# Altium PCB PCB ASCII (pokey v1.0-A01).PcbDoc (part 3 of 5)
Units mil, origin at the board's own origin, x right, y up, seen from the top; angles counter-clockwise.
Board outline 14208.66 x 3708.66 mil, 4 copper layers (Top Layer, Mid-Layer 1, Mid-Layer 2, Bottom Layer), stack 61.2 mil thick; 385 components, 209 nets, 1413 pads, 947 vias.
Unrouted connection lines stored in the file: 121.
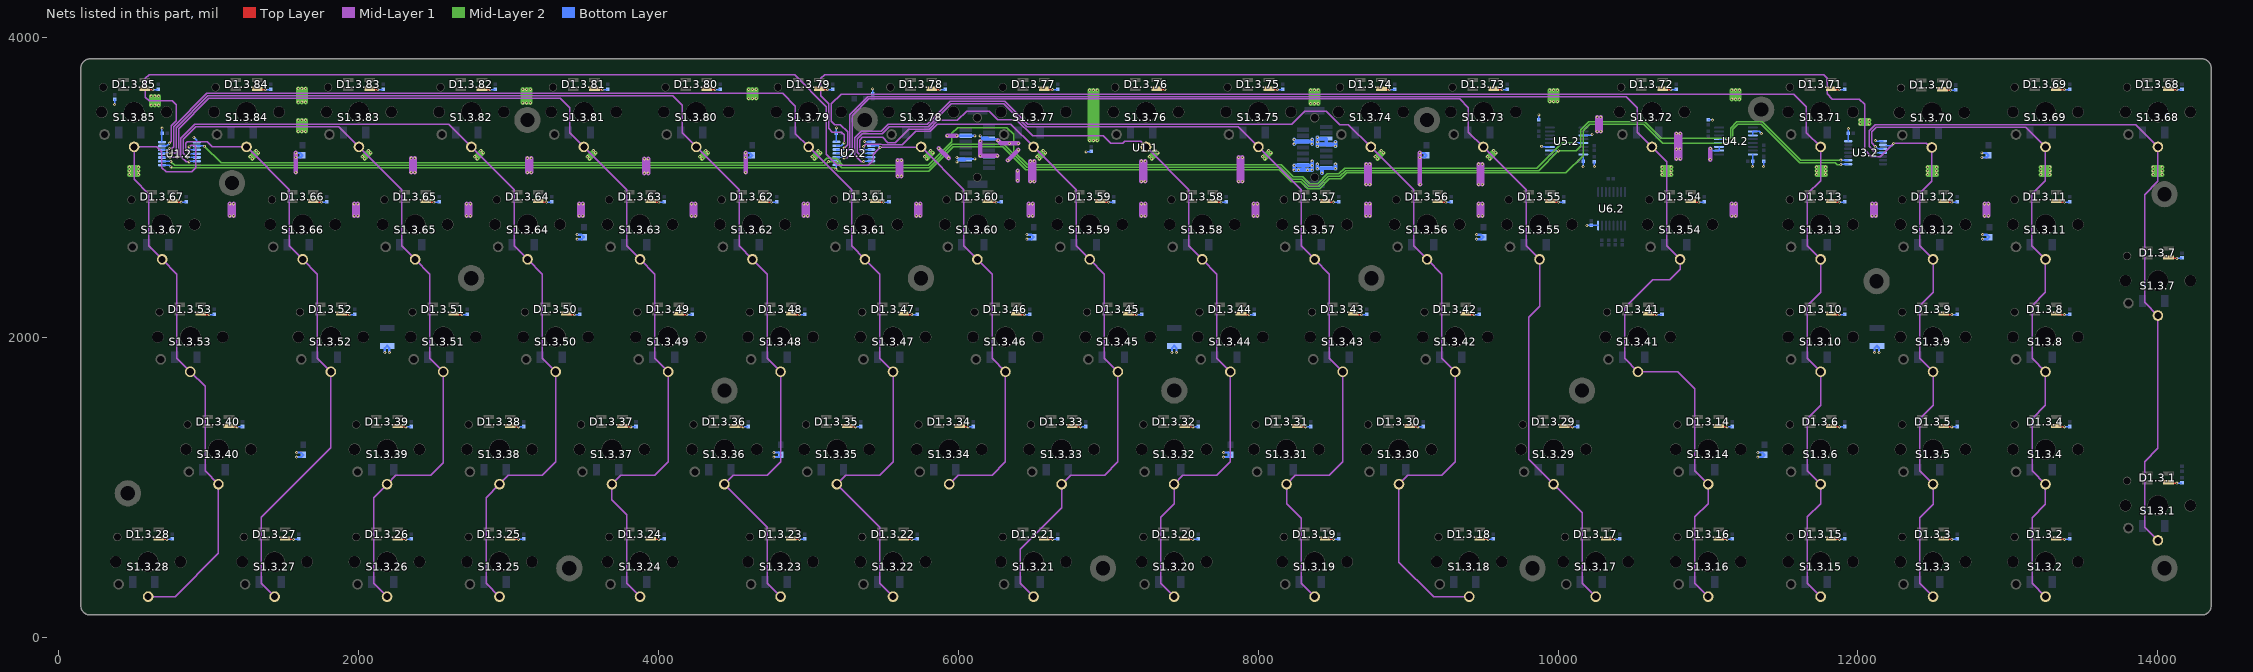
[diagram p5: the nets of this part, all layers, seen from the top]

## Components (designator, comment, footprint, x,y, rotation, side; value= is the part's Value field where it differs from the comment) (continued)
S1.3.85 "SW-SPST" PG1350 501.41,3502.99 r90 top (schematic designator S1.3)
U1.1 "POKEY_MOD_R1" POKEY_MOD_R1 8376.41,3067.76 r180 bottom
U1.2 "MC74HC164A" TSOP65P640X120-14N 803.64,3225.73 r180 bottom
U2.2 "MC74HC164A" TSOP65P640X120-14N 5302.5,3227.5 r180 bottom
U3.2 "MC74HC164A" TSOP65P640X120-14N 12052.07,3232.5 r180 bottom
U4.2 "SN74AHC123A" TSSOP16_N 11186.7,3309.79 r180 bottom
U5.2 "SN74AHC123A" TSSOP16_N 10057.13,3309.79 r180 bottom
U6.2 "MC74HC165A" TSSOP16_N 10357.5,2857.5 r90 bottom

## Footprints (in the part's own frame and the unit in brackets; to place one, negate y for a bottom-side part, rotate by r counter-clockwise, add the part's x,y. Pads: shape width x height; smd on the part's side, far side on the other; paste and mask are expansions set on the pad)
0402 [mm]
  rect 0.6x0.6 smd mask+0: 1(0,0) 2(0.812,0)
  silkscreen extent -0.46,-0.46 1.27,0.46
1210 [mm]
  rect 2.5x1 smd: 1(0,-1.5) 2(0,1.5)
  silkscreen extent -1.12,-0.71 1.12,0.71
1608[0603] [mm]
  rect 1.1x1 smd: 1(-0.85,0) 2(0.85,0)
  silkscreen extent -1.65,-0.74 1.65,0.74
BL-HRGB32M-TRB [mm] "Addressable LED"
  rect 1.8x0.7 smd: 1(-1.8,0.75) 2(-1.8,-0.75) 3(1.8,-0.75) 4(1.8,0.75)
  silkscreen extent -2.34,-1.4 1.6,1.83
PG1350 [mm]
  round 1.8 hole 1.2: 1(-5.9,0) 2(-3.8,5)
  round 1.4 hole 1.2: 3(4.2,5.22)
  round 2 hole 1.9: 4(0,-5.5) 4_1(0,5.5)
  round 3.5 hole 3.4: 4_2(0,0)
  silkscreen extent -7.5,-7.5 7.5,7.5
POKEY_MOD_R1 [mm]
  round 1.5 hole 1.3: 0(0,0) 0_2(57.15,0)
  round 1.6 hole 1.3: 0_1(0,10.1) 0_3(57.15,10.1)
  rect 3.4x1.3 smd: 0_4(0,11.257) 0_5(0,-1.157) 0_6(57.15,11.257) 0_7(57.15,-1.157)
  rect 2.08x0.7 smd: 1(-1.96,8.55) 2(1.96,8.05) 3(-1.96,7.55) 4(1.96,7.05) 5(-1.96,6.55) 6(1.96,6.05) 7(-1.96,5.55) 8(1.96,5.05) 9(-1.96,4.55) 10(1.96,4.05) 11(-1.96,3.55) 12(1.96,3.05) 13(-1.96,2.55) 14(1.96,2.05) 15(-1.96,1.55) 16(55.19,8.55) 17(59.11,8.05) 18(55.19,7.55) 19(59.11,7.05) 20(55.19,6.55) 21(59.11,6.05) 22(55.19,5.55) 23(59.11,5.05) 24(55.19,4.55) 25(59.11,4.05) 26(55.19,3.55) 27(59.11,3.05) 28(55.19,2.55) 29(59.11,2.05) 30(55.19,1.55)
  silkscreen extent -4.83,-2.31 61.98,16.49
SOD-80 [mm]
  rect 1.25x2 smd: A(1.875,0) K(-1.875,0)
  silkscreen extent -2.67,-1.02 1.02,1.02
SOT23 [mm] "SOT-23; 3 Leads; Body 3.1 x 2.5 mm, inc. leads (LxW max), Alternate Lead Configuration"
  rect 0.9x0.95 smd: 1(0,1.175) 2(0.95,-1.175) 3(-0.95,-1.175)
  silkscreen extent -1.3,-0.3 1.3,2.32
TSOP65P640X120-14N [mm] "TSOP, 14-Leads, Body 5.00x4.40mm, Pitch 0.65mm, IPC Medium Density"
  oval 1.4x0.45 smd: 1(-2.95,1.95) 2(-2.95,1.3) 3(-2.95,0.65) 4(-2.95,0) 5(-2.95,-0.65) 6(-2.95,-1.3) 7(-2.95,-1.95) 8(2.95,-1.95) 9(2.95,-1.3) 10(2.95,-0.65) 11(2.95,0) 12(2.95,0.65) 13(2.95,1.3) 14(2.95,1.95)
  silkscreen extent -3.08,-2.55 1.85,2.85
TSSOP16_N [mm]
  oval 1.7x0.35 smd: 1(2.848,-2.281) 2(2.848,-1.631) 3(2.848,-0.981) 4(2.848,-0.331) 5(2.848,0.319) 6(2.848,0.969) 7(2.848,1.619) 8(2.848,2.269) 9(-2.852,2.269) 10(-2.852,1.619) 11(-2.852,0.969) 12(-2.852,0.319) 13(-2.852,-0.331) 14(-2.852,-0.981) 15(-2.852,-1.631) 16(-2.852,-2.281)
  silkscreen extent -1.6,-3.13 2.97,2.54

## Part data
C1.1 C1.2 C1.3.1 C1.3.2 C1.3.3 C1.3.4 C1.3.5 C1.3.6 C1.3.7 C1.3.8 C1.3.9 C1.3.10 C1.3.11 C1.3.12 C1.3.13 C1.3.14 C1.3.15 C1.3.16 C1.3.17 C1.3.18 C1.3.19 C1.3.20 C1.3.21 C1.3.22 C1.3.23 C1.3.24 C1.3.25 C1.3.26 C1.3.27 C1.3.28 C1.3.29 C1.3.30 C1.3.31 C1.3.32 C1.3.33 C1.3.34 C1.3.35 C1.3.36 C1.3.37 C1.3.38 C1.3.39 C1.3.40 C1.3.41 C1.3.42 C1.3.43 C1.3.44 C1.3.45 C1.3.46 C1.3.47 C1.3.48 C1.3.49 C1.3.50 C1.3.51 C1.3.52 C1.3.53 C1.3.54 C1.3.55 C1.3.56 C1.3.57 C1.3.58 C1.3.59 C1.3.60 C1.3.61 C1.3.62 C1.3.63 C1.3.64 C1.3.65 C1.3.66 C1.3.67 C1.3.68 C1.3.69 C1.3.70 C1.3.71 C1.3.72 C1.3.73 C1.3.74 C1.3.75 C1.3.76 C1.3.77 C1.3.78 C1.3.79 C1.3.80 C1.3.81 C1.3.82 C1.3.83 C1.3.84 C1.3.85 C2.1 C2.2 C3.1 C3.2 C4.2 C5.2 C6.2 C7.2 C8.2 C9.2 C10.2: library part "CAPACITOR NON_POL"
C4.1 C5.1 C6.1 C7.1 C8.1 C9.1 C10.1 C11.1 C12.1 C13.1 C14.1 C15.1: library part C0402
D1.3.1 D1.3.2 D1.3.3 D1.3.4 D1.3.5 D1.3.6 D1.3.7 D1.3.8 D1.3.9 D1.3.10 D1.3.11 D1.3.12 D1.3.13 D1.3.14 D1.3.15 D1.3.16 D1.3.17 D1.3.18 D1.3.19 D1.3.20 D1.3.21 D1.3.22 D1.3.23 D1.3.24 D1.3.25 D1.3.26 D1.3.27 D1.3.28 D1.3.29 D1.3.30 D1.3.31 D1.3.32 D1.3.33 D1.3.34 D1.3.35 D1.3.36 D1.3.37 D1.3.38 D1.3.39 D1.3.40 D1.3.41 D1.3.42 D1.3.43 D1.3.44 D1.3.45 D1.3.46 D1.3.47 D1.3.48 D1.3.49 D1.3.50 D1.3.51 D1.3.52 D1.3.53 D1.3.54 D1.3.55 D1.3.56 D1.3.57 D1.3.58 D1.3.59 D1.3.60 D1.3.61 D1.3.62 D1.3.63 D1.3.64 D1.3.65 D1.3.66 D1.3.67 D1.3.68 D1.3.69 D1.3.70 D1.3.71 D1.3.72 D1.3.73 D1.3.74 D1.3.75 D1.3.76 D1.3.77 D1.3.78 D1.3.79 D1.3.80 D1.3.81 D1.3.82 D1.3.83 D1.3.84 D1.3.85: library part BL-HRGB32M-TRB
D2.3.1 D2.3.2 D2.3.3 D2.3.4 D2.3.5 D2.3.6 D2.3.7 D2.3.8 D2.3.9 D2.3.10 D2.3.11 D2.3.12 D2.3.13 D2.3.14 D2.3.15 D2.3.16 D2.3.17 D2.3.18 D2.3.19 D2.3.20 D2.3.21 D2.3.22 D2.3.23 D2.3.24 D2.3.25 D2.3.26 D2.3.27 D2.3.28 D2.3.29 D2.3.30 D2.3.31 D2.3.32 D2.3.33 D2.3.34 D2.3.35 D2.3.36 D2.3.37 D2.3.38 D2.3.39 D2.3.40 D2.3.41 D2.3.42 D2.3.43 D2.3.44 D2.3.45 D2.3.46 D2.3.47 D2.3.48 D2.3.49 D2.3.50 D2.3.51 D2.3.52 D2.3.53 D2.3.54 D2.3.55 D2.3.56 D2.3.57 D2.3.58 D2.3.59 D2.3.60 D2.3.61 D2.3.62 D2.3.63 D2.3.64 D2.3.65 D2.3.66 D2.3.67 D2.3.68 D2.3.69 D2.3.70 D2.3.71 D2.3.72 D2.3.73 D2.3.74 D2.3.75 D2.3.76 D2.3.77 D2.3.78 D2.3.79 D2.3.80 D2.3.81 D2.3.82 D2.3.83 D2.3.84 D2.3.85: library part DIODE
Q1.2: "N-Channel Enhancement Mode Vertical DMOS FET"
R1.2 R2.2 R3.2 R4.2 R5.2 R6.2 R7.2 R8.2 R9.2 R10.2 R11.2 R12.2: library part RESISTOR
S1.3.1 S1.3.2 S1.3.3 S1.3.4 S1.3.5 S1.3.6 S1.3.7 S1.3.8 S1.3.9 S1.3.10 S1.3.11 S1.3.12 S1.3.13 S1.3.14 S1.3.15 S1.3.16 S1.3.17 S1.3.18 S1.3.19 S1.3.20 S1.3.21 S1.3.22 S1.3.23 S1.3.24 S1.3.25 S1.3.26 S1.3.27 S1.3.28 S1.3.29 S1.3.30 S1.3.31 S1.3.32 S1.3.33 S1.3.34 S1.3.35 S1.3.36 S1.3.37 S1.3.38 S1.3.39 S1.3.40 S1.3.41 S1.3.42 S1.3.43 S1.3.44 S1.3.45 S1.3.46 S1.3.47 S1.3.48 S1.3.49 S1.3.50 S1.3.51 S1.3.52 S1.3.53 S1.3.54 S1.3.55 S1.3.56 S1.3.57 S1.3.58 S1.3.59 S1.3.60 S1.3.61 S1.3.62 S1.3.63 S1.3.64 S1.3.65 S1.3.66 S1.3.67 S1.3.68 S1.3.69 S1.3.70 S1.3.71 S1.3.72 S1.3.73 S1.3.74 S1.3.75 S1.3.76 S1.3.77 S1.3.78 S1.3.79 S1.3.80 S1.3.81 S1.3.82 S1.3.83 S1.3.84 S1.3.85: "Single-Pole, Single-Throw Switch"
U1.2 U2.2 U3.2: "IC SHIFT REGISTER 8BIT"
U4.2 U5.2: "IC DUAL RETRIG MULTIVIB"
U6.2: "IC SHIFT REGISTER IN 8BIT"

## Free pads (board coordinates)
  round 175 / inner round 110 / far side round 175 hole 95: 0(460,960) 0(1155,3030) 0(2750,2395) 0(3125,3450) 0(3405,460) 0(4440,1645) 0(5375,3450) 0(5750,2395) 0(6965,460) 0(7440,1645) 0(8755,2395) 0(9125,3450) 0(9830,460) 0(10160,1645) 0(11355,3520) 0(12125,2375) 0(14045,460) 0(14045,2955)

## Via types
v1: diameter 20, hole 10, Top Layer to Bottom Layer, tented both sides, 946 vias
v2: diameter 20, hole 10, Top Layer to Bottom Layer, 1 vias

## Nets (pads, with @x,y where several pads share a name; then routed paths per layer and width w, separated by ;. In a path a pad name is that pad's centre, name@x,y a point inside that pad or via, vN(x,y) a via of type N, cw(c..) or ccw(c..) an arc to the next point about the centre after c; other vN are vias at no path point)
3V3: C1.2.1 C2.2.1 C3.2.1 C5.2.1 C8.2.1 C10.2.1 C12.1.2 C13.1.2 C14.1.2 C15.1.2 R1.2.2 R2.2.2 R4.2.2 R5.2.2 R7.2.2 U1.1.19 U1.1.20 U1.1.26 U1.1.27 U1.2.1 U1.2.14 U2.2.1 U2.2.14 U3.2.1 U3.2.14 U4.2.2 U4.2.3 U4.2.10 U4.2.11 U4.2.16 U5.2.3 U5.2.11 U5.2.16 U6.2.16 | length 8505.7
  Mid-Layer 1 w30: v1(1140,2810) v1(1140,2890) ; v1(1165,2810) v1(1165,2890) ; v1(1580,3100) v1(1580,3200) v1(1580,3230) ; v1(1970,2810) v1(1970,2890) ; v1(1995,2810) v1(1995,2890) ; v1(2350,3100) v1(2350,3195) ; v1(2375,3100) v1(2375,3195) ; v1(2720,2810) v1(2720,2890) ; v1(2745,2810) v1(2745,2890) ; v1(3125,3100) v1(3125,3195) ; v1(3150,3100) v1(3150,3195) ; v1(3470,2810) v1(3470,2890) ; v1(3495,2810) v1(3495,2890) ; v1(3905,3095) v1(3905,3190) ; v1(3930,3095) v1(3930,3190) ; v1(4220,2810) v1(4220,2890) ; v1(4245,2810) v1(4245,2890) ; v1(4580,3100) v1(4580,3200) v1(4580,3230) ; v1(4970,2810) v1(4970,2890) ; v1(4995,2810) v1(4995,2890) ; v1(5595,3075) v1(5595,3180) ; v1(5620,3075) v1(5620,3180) ; v1(5720,2810) v1(5720,2890) ; v1(5745,2810) v1(5745,2890) ; v1(5870,3260) v1(5935,3195) ; v1(5925,3345) v1(5990,3345) ; v1(6145,3310) v1(6145,3210) v1(6260,3210) ; v1@6264.07,3314.07 6283.14,3295 v1(6340,3295) v1(6400,3295) ; v1(6330,3180) v1(6400,3250) ; v1(6395,3045) v1(6395,3110) ; v1(6470,2810) v1(6470,2890) ; v1(6480,3040) v1(6480,3175) ; v1(6495,2810) v1(6495,2890) ; v1(6505,3040) v1(6505,3175) ; v1(7220,2810) v1(7220,2890) ; v1(7220,3040) v1(7220,3175) ; v1(7245,2810) v1(7245,2890) ; v1(7245,3040) v1(7245,3175) ; v1(7870,3040) v1(7870,3200) ; v1(7895,3040) v1(7895,3200) ; v1(7970,2810) v1(7970,2890) ; v1(7995,2810) v1(7995,2890) ; v1(8720,2810) v1(8720,2890) ; v1(8720,3020) v1(8720,3155) ; v1(8745,2810) v1(8745,2890) ; v1(8745,3020) v1(8745,3155) ; v1(9077.5,3230) v1(9077.5,3200) 9077.5,3022.5 v1(9080,3020) ; v1(9470,2810) v1(9470,2890) ; v1(9470,3020) v1(9470,3155) ; v1(9495,2810) v1(9495,2890) ; v1(9495,3020) v1(9495,3155) ; v1(10260,3375) v1(10260,3470) ; v1(10285,3375) v1(10285,3470) ; v1(10790,3190) v1(10790,3255) v1(10790,3360) ; v1(10815,3190) v1(10815,3255) v1(10815,3360) ; v1(11015,3185) 11015,3258.09 v1(11016.7,3259.79) ; v1(11160,2810) v1(11160,2890) ; v1(11185,2810) v1(11185,2890) ; v1(12095,2810) v1(12095,2890) ; v1(12120,2810) v1(12120,2890) ; v1(12845,2810) v1(12845,2890) ; v1(12870,2810) v1(12870,2890)
  Bottom Layer w10: U1.2.14@687.5,3302.5 686.67,3303.33 686.67,3391.05 688.64,3393.02 v1(688.64,3395.73) ; v1(900,3335) 919.78,3315.22 U1.2.1@919.78,3302.5 ; U2.2.14@5186.36,3304.27 5185.53,3305.1 C2.2.1@5185.53,3362.5 5185.53,3392.83 5187.5,3394.79 v1(5187.5,3397.5) ; v1(5372.5,3307.5) 5375.21,3307.5 5378.43,3304.27 U2.2.1@5418.64,3304.27 ; R4.2.2@5427.5,3624.47 v1(5427.5,3657.5) ; R7.2.2@9872.13,3451.76 v1(9872.13,3484.79) ; v1(9890,3275) 9893.82,3271.18 U5.2.3@9945,3271.18 ; v1(10167.13,3139.79) 10167.13,3142.49 10169.09,3144.46 C8.2.1@10169.09,3174.79 10169.41,3175.1 U5.2.16@10169.41,3220 ; U5.2.11@10169.41,3347.95 10220.29,3347.95 v1(10227.13,3354.79) ; v1(10192.5,2747.5) C10.2.1@10222.5,2747.5 10265.97,2747.5 10267.71,2745.75 U6.2.16@10267.71,2745.22 ; v1(10242.13,3139.79) R5.2.2@10242.13,3172.82 ; R2.2.2@11001.7,3451.76 11002.58,3450.88 11029.12,3450.88 v1(11030,3450) ; v1(11016.7,3259.79) 11030.89,3245.59 U4.2.2@11074.57,3245.59 U4.2.3@11074.57,3271.18 ; v1(11296.7,3139.79) 11298.67,3141.76 C5.2.1@11298.67,3174.79 11298.98,3175.1 U4.2.16@11298.98,3220 ; U4.2.11@11298.98,3347.95 U4.2.10@11298.98,3373.54 11342.94,3373.54 v1(11356.7,3359.79) ; v1(11371.7,3139.79) R1.2.2@11371.7,3174.79 ; U3.2.14@11935.92,3309.27 11935.92,3361.36 C3.2.1@11937.07,3362.5 v1(11937.07,3392.5) ; v1(12117.07,3312.5) 12119.77,3312.5 12123,3309.27 U3.2.1@12168.21,3309.27
  Bottom Layer w15: v1(1580,3200) 1610.96,3200 C12.1.2@1625,3214.04 1609.04,3230 v1(1580,3230) ; v1(4580,3200) 4610.96,3200 C13.1.2@4625,3214.04 4609.04,3230 v1(4580,3230) ; v1(5990,3170) 6001.56,3181.56 6042.97,3181.56 U1.1.27@6049.25,3187.84 ; v1(5990,3200) 5991.35,3200 5997.24,3194.11 6042.97,3194.11 U1.1.27@6049.25,3187.84 ; v1(5990,3345) 5990.32,3345.32 U1.1.19@6049.25,3345.32 6049.56,3345 v1(6110,3345) ; v1(6110,3190) 6051.41,3190 U1.1.27@6049.25,3187.84 ; v1(6145,3210) 6201.1,3210 U1.1.26@6202.06,3209.04 ; v1(6145,3310) 6146.35,3310 6155.7,3319.35 6197.3,3319.35 U1.1.20@6203.58,3325.63 ; v1(6145,3345) 6158.09,3331.91 6197.3,3331.91 U1.1.20@6203.58,3325.63 ; U1.1.26@6203.58,3207.52 U1.1.26@6202.06,3209.04 ; v1(6260,3210) 6259.04,3209.04 U1.1.26@6202.06,3209.04 ; v1(6265,3315) 6263.65,3315 6257.66,3320.99 6208.22,3320.99 U1.1.20@6203.58,3325.63 ; v1(9077.5,3200) C14.1.2@9108.46,3200 ; v1(9077.5,3230) 9106.54,3230 C14.1.2@9122.5,3214.04 ; v1(12827.07,3200) 12858.03,3200 C15.1.2@12872.07,3214.04 12856.1,3230 v1(12827.07,3230) ; C14.1.2@9108.46,3200 9110.31,3200 9122.5,3212.19 C14.1.2@9122.5,3214.04 ; C14.1.2@9108.46,3200 C14.1.2@9122.5,3214.04
5V: C1.1.2 C1.3.1.1 C1.3.2.1 C1.3.3.1 C1.3.4.1 C1.3.5.1 C1.3.6.1 C1.3.7.1 C1.3.8.1 C1.3.9.1 C1.3.10.1 C1.3.11.1 C1.3.12.1 C1.3.13.1 C1.3.14.1 C1.3.15.1 C1.3.16.1 C1.3.17.1 C1.3.18.1 C1.3.19.1 C1.3.20.1 C1.3.21.1 C1.3.22.1 C1.3.23.1 C1.3.24.1 C1.3.25.1 C1.3.26.1 C1.3.27.1 C1.3.28.1 C1.3.29.1 C1.3.30.1 C1.3.31.1 C1.3.32.1 C1.3.33.1 C1.3.34.1 C1.3.35.1 C1.3.36.1 C1.3.37.1 C1.3.38.1 C1.3.39.1 C1.3.40.1 C1.3.41.1 C1.3.42.1 C1.3.43.1 C1.3.44.1 C1.3.45.1 C1.3.46.1 C1.3.47.1 C1.3.48.1 C1.3.49.1 C1.3.50.1 C1.3.51.1 C1.3.52.1 C1.3.53.1 C1.3.54.1 C1.3.55.1 C1.3.56.1 C1.3.57.1 C1.3.58.1 C1.3.59.1 C1.3.60.1 C1.3.61.1 C1.3.62.1 C1.3.63.1 C1.3.64.1 C1.3.65.1 C1.3.66.1 C1.3.67.1 C1.3.68.1 C1.3.69.1 C1.3.70.1 C1.3.71.1 C1.3.72.1 C1.3.73.1 C1.3.74.1 C1.3.75.1 C1.3.76.1 C1.3.77.1 C1.3.78.1 C1.3.79.1 C1.3.80.1 C1.3.81.1 C1.3.82.1 C1.3.83.1 C1.3.84.1 C1.3.85.1 C2.1.2 C3.1.2 C4.1.2 C5.1.2 C6.1.2 C7.1.2 C8.1.2 C9.1.2 C10.1.2 C11.1.2 D1.3.1.1 D1.3.2.1 D1.3.3.1 D1.3.4.1 D1.3.5.1 D1.3.6.1 D1.3.7.1 D1.3.8.1 D1.3.9.1 D1.3.10.1 D1.3.11.1 D1.3.12.1 D1.3.13.1 D1.3.14.1 D1.3.15.1 D1.3.16.1 D1.3.17.1 D1.3.18.1 D1.3.19.1 D1.3.20.1 D1.3.21.1 D1.3.22.1 D1.3.23.1 D1.3.24.1 D1.3.25.1 D1.3.26.1 D1.3.27.1 D1.3.28.1 D1.3.29.1 D1.3.30.1 D1.3.31.1 D1.3.32.1 D1.3.33.1 D1.3.34.1 D1.3.35.1 D1.3.36.1 D1.3.37.1 D1.3.38.1 D1.3.39.1 D1.3.40.1 D1.3.41.1 D1.3.42.1 D1.3.43.1 D1.3.44.1 D1.3.45.1 D1.3.46.1 D1.3.47.1 D1.3.48.1 D1.3.49.1 D1.3.50.1 D1.3.51.1 D1.3.52.1 D1.3.53.1 D1.3.54.1 D1.3.55.1 D1.3.56.1 D1.3.57.1 D1.3.58.1 D1.3.59.1 D1.3.60.1 D1.3.61.1 D1.3.62.1 D1.3.63.1 D1.3.64.1 D1.3.65.1 D1.3.66.1 D1.3.67.1 D1.3.68.1 D1.3.69.1 D1.3.70.1 D1.3.71.1 D1.3.72.1 D1.3.73.1 D1.3.74.1 D1.3.75.1 D1.3.76.1 D1.3.77.1 D1.3.78.1 D1.3.79.1 D1.3.80.1 D1.3.81.1 D1.3.82.1 D1.3.83.1 D1.3.84.1 D1.3.85.1 R3.2.2 U1.1.5 U1.1.6 U1.1.7 U1.1.14 U1.1.15 | length 14516.3
  Top Layer w10: D1.3.85.1@578.66,3652.5 v1(627.07,3652.5) ; D1.3.28.1@672.41,652.5 v1(720.82,652.5) ; D1.3.67.1@766.16,2902.5 v1(814.57,2902.5) ; D1.3.53.1@953.66,2152.5 v1(1002.07,2152.5) ; D1.3.40.1@1141.16,1402.5 v1(1189.57,1402.5) ; D1.3.84.1@1328.66,3652.5 v1(1377.07,3652.5) ; D1.3.27.1@1516.16,652.5 v1(1564.57,652.5) ; D1.3.66.1@1703.66,2902.5 v1(1752.07,2902.5) ; D1.3.52.1@1891.16,2152.5 v1(1939.57,2152.5) ; D1.3.83.1@2078.66,3652.5 v1(2127.07,3652.5) ; D1.3.26.1@2266.16,652.5 v1(2314.57,652.5) ; D1.3.39.1@2266.16,1402.5 v1(2314.57,1402.5) ; D1.3.65.1@2453.66,2902.5 v1(2502.07,2902.5) ; D1.3.51.1@2641.16,2152.5 v1(2689.57,2152.5) ; D1.3.82.1@2828.66,3652.5 v1(2877.07,3652.5) ; D1.3.25.1@3016.16,652.5 v1(3064.57,652.5) ; D1.3.38.1@3016.16,1402.5 v1(3064.57,1402.5) ; D1.3.64.1@3203.66,2902.5 v1(3252.07,2902.5) ; D1.3.50.1@3391.16,2152.5 v1(3439.57,2152.5) ; D1.3.81.1@3578.66,3652.5 v1(3627.07,3652.5) ; D1.3.37.1@3766.16,1402.5 v1(3814.57,1402.5) ; D1.3.24.1@3953.66,652.5 v1(4002.07,652.5) ; D1.3.63.1@3953.66,2902.5 v1(4002.07,2902.5) ; D1.3.49.1@4141.16,2152.5 v1(4189.57,2152.5) ; D1.3.80.1@4328.66,3652.5 v1(4377.07,3652.5) ; D1.3.36.1@4516.16,1402.5 v1(4564.57,1402.5) ; D1.3.62.1@4703.66,2902.5 v1(4752.07,2902.5) ; D1.3.23.1@4891.16,652.5 v1(4939.57,652.5) ; D1.3.48.1@4891.16,2152.5 v1(4939.57,2152.5) ; D1.3.79.1@5078.66,3652.5 v1(5127.07,3652.5) ; D1.3.35.1@5266.16,1402.5 v1(5314.57,1402.5) ; D1.3.61.1@5453.66,2902.5 v1(5502.07,2902.5) ; D1.3.22.1@5641.16,652.5 v1(5689.57,652.5) ; D1.3.47.1@5641.16,2152.5 v1(5689.57,2152.5) ; D1.3.78.1@5828.66,3652.5 v1(5877.07,3652.5) ; D1.3.34.1@6016.16,1402.5 v1(6064.57,1402.5) ; D1.3.60.1@6203.66,2902.5 v1(6252.07,2902.5) ; D1.3.46.1@6391.16,2152.5 v1(6439.57,2152.5) ; D1.3.21.1@6578.66,652.5 v1(6627.07,652.5) ; D1.3.77.1@6578.66,3652.5 v1(6627.07,3652.5) ; D1.3.33.1@6766.16,1402.5 v1(6814.57,1402.5) ; D1.3.59.1@6953.66,2902.5 v1(7002.07,2902.5) ; D1.3.45.1@7141.16,2152.5 v1(7189.57,2152.5) ; D1.3.76.1@7328.66,3652.5 v1(7377.07,3652.5) ; D1.3.20.1@7516.16,652.5 v1(7564.57,652.5) ; D1.3.32.1@7516.16,1402.5 v1(7564.57,1402.5) ; D1.3.58.1@7703.66,2902.5 v1(7752.07,2902.5) ; D1.3.44.1@7891.16,2152.5 v1(7939.57,2152.5) ; D1.3.75.1@8078.66,3652.5 v1(8127.07,3652.5) ; D1.3.31.1@8266.16,1402.5 v1(8314.57,1402.5) ; D1.3.19.1@8453.66,652.5 v1(8502.07,652.5) ; D1.3.57.1@8453.66,2902.5 v1(8502.07,2902.5) ; D1.3.43.1@8641.16,2152.5 v1(8689.57,2152.5) ; D1.3.74.1@8822.28,3658.88 8828.66,3652.5 v1(8877.07,3652.5) ; D1.3.30.1@9016.16,1402.5 v1(9064.57,1402.5) ; D1.3.56.1@9203.66,2902.5 v1(9252.07,2902.5) ; D1.3.42.1@9391.16,2152.5 v1(9439.57,2152.5) ; D1.3.18.1@9484.91,652.5 v1(9533.32,652.5) ; D1.3.73.1@9578.66,3652.5 v1(9627.07,3652.5) ; D1.3.55.1@9953.66,2902.5 v1(10002.07,2902.5) ; D1.3.29.1@10047.41,1402.5 v1(10095.82,1402.5) ; D1.3.17.1@10328.66,652.5 v1(10377.07,652.5) ; D1.3.41.1@10609.91,2152.5 v1(10658.32,2152.5) ; D1.3.72.1@10703.66,3652.5 v1(10752.07,3652.5) ; D1.3.54.1@10891.16,2902.5 v1(10939.57,2902.5) ; D1.3.16.1@11078.66,652.5 v1(11127.07,652.5) ; D1.3.14.1@11078.66,1402.5 v1(11127.07,1402.5) ; D1.3.15.1@11828.66,652.5 v1(11877.07,652.5) ; D1.3.6.1@11828.66,1402.5 v1(11877.07,1402.5) ; D1.3.10.1@11828.66,2152.5 v1(11877.07,2152.5) ; D1.3.13.1@11828.66,2902.5 v1(11877.07,2902.5) ; D1.3.71.1@11828.66,3652.5 v1(11877.07,3652.5) ; D1.3.70.1@12570.45,3648.68 v1(12618.86,3648.68) ; D1.3.3.1@12578.66,652.5 v1(12627.07,652.5) ; D1.3.5.1@12578.66,1402.5 v1(12627.07,1402.5) ; D1.3.9.1@12578.66,2152.5 v1(12627.07,2152.5) ; D1.3.12.1@12578.66,2902.5 v1(12627.07,2902.5) ; D1.3.2.1@13328.66,652.5 v1(13377.07,652.5) ; D1.3.4.1@13328.66,1402.5 v1(13377.07,1402.5) ; D1.3.8.1@13328.66,2152.5 v1(13377.07,2152.5) ; D1.3.11.1@13328.66,2902.5 v1(13377.07,2902.5) ; D1.3.69.1@13328.66,3652.5 v1(13377.07,3652.5) ; D1.3.1.1@14078.66,1027.5 v1(14127.07,1027.5) ; D1.3.7.1@14078.66,2527.5 v1(14127.07,2527.5) ; D1.3.68.1@14078.66,3652.5 v1(14127.07,3652.5)
  Mid-Layer 2 w25: v1(1275,3205) v1(1315,3245) ; v1(1290,3190) v1(1330,3230) ; v1(2025,3205) v1(2065,3245) ; v1(2040,3190) v1(2080,3230) ; v1(2775,3205) v1(2815,3245) ; v1(2790,3190) v1(2830,3230) ; v1(3525,3205) v1(3565,3245) ; v1(3540,3190) v1(3580,3230) ; v1(4275,3205) v1(4315,3245) ; v1(4290,3190) v1(4330,3230) ; v1(5025,3205) v1(5065,3245) ; v1(5040,3190) v1(5080,3230) ; v1(5775,3205) v1(5815,3245) ; v1(5790,3190) v1(5830,3230) ; v1(6525,3205) v1(6565,3245) ; v1(6540,3190) v1(6580,3230) ; v1(7275,3205) v1(7315,3245) ; v1(7290,3190) v1(7330,3230) ; v1(8030,3205) v1(8070,3245) ; v1(8045,3190) v1(8085,3230) ; v1(8780,3205) v1(8820,3245) ; v1(8795,3190) v1(8835,3230) ; v1(9530,3205) v1(9570,3245) ; v1(9545,3190) v1(9585,3230)
  Mid-Layer 2 w30: v1(470,3085) v1(530,3085) ; v1(470,3110) v1(530,3110) ; v1(470,3135) v1(530,3135) ; v1(615,3550) v1(615,3610) ; v1(640,3550) v1(640,3610) ; v1(665,3550) v1(665,3610) ; v1(1595,3375) v1(1595,3450) ; v1(1595,3570) v1(1595,3660) ; v1(1620,3375) v1(1620,3450) ; v1(1620,3570) v1(1620,3660) ; v1(1645,3375) v1(1645,3450) ; v1(1645,3570) v1(1645,3660) ; v1(3095,3565) v1(3095,3655) ; v1(3120,3565) v1(3120,3655) ; v1(3145,3565) v1(3145,3655) ; v1(4600,3595) v1(4600,3655) ; v1(4625,3595) v1(4625,3655) ; v1(4650,3595) v1(4650,3655) ; v1(6875,3315) v2(6875,3650) ; v1(6900,3315) v1(6900,3650) ; v1(6925,3315) v1(6925,3650) ; v1(8350,3560) v1(8350,3650) ; v1(8375,3560) v1(8375,3650) ; v1(8400,3560) v1(8400,3650) ; v1(9945,3575) v1(9945,3650) ; v1(9970,3575) v1(9970,3650) ; v1(9995,3575) v1(9995,3650) ; v1(10695,3085) v1(10755,3085) ; v1(10695,3110) v1(10755,3110) ; v1(10695,3135) v1(10755,3135) ; v1(11160,3590) v1(11160,3650) ; v1(11185,3590) v1(11185,3650) ; v1(11210,3590) v1(11210,3650) ; v1(11725,3085) v1(11785,3085) ; v1(11725,3110) v1(11785,3110) ; v1(11725,3135) v1(11785,3135) ; v1(12015,3425) v1(12075,3425) ; v1(12015,3450) v1(12075,3450) ; v1(12465,3085) v1(12525,3085) ; v1(12465,3110) v1(12525,3110) ; v1(12465,3135) v1(12525,3135) ; v1(13220,3085) v1(13280,3085) ; v1(13220,3110) v1(13280,3110) ; v1(13220,3135) v1(13280,3135) ; v1(13970,3085) v1(14030,3085) ; v1(13970,3110) v1(14030,3110) ; v1(13970,3135) v1(14030,3135)
  Bottom Layer w10: v1(372.5,3552.5) R3.2.2@372.5,3587.5 ; v1(627.07,3652.5) C1.3.85.1@659.03,3652.5 ; v1(720.82,652.5) C1.3.28.1@752.78,652.5 ; v1(814.57,2902.5) C1.3.67.1@846.53,2902.5 ; v1(1002.07,2152.5) C1.3.53.1@1034.03,2152.5 ; v1(1189.57,1402.5) C1.3.40.1@1221.53,1402.5 ; v1(1377.07,3652.5) C1.3.84.1@1409.03,3652.5 ; v1(1564.57,652.5) C1.3.27.1@1596.53,652.5 ; v1(1752.07,2902.5) C1.3.66.1@1784.03,2902.5 ; v1(1939.57,2152.5) C1.3.52.1@1971.53,2152.5 ; v1(2127.07,3652.5) C1.3.83.1@2159.03,3652.5 ; v1(2314.57,652.5) C1.3.26.1@2346.53,652.5 ; v1(2314.57,1402.5) C1.3.39.1@2346.53,1402.5 ; v1(2502.07,2902.5) C1.3.65.1@2534.03,2902.5 ; v1(2689.57,2152.5) C1.3.51.1@2721.53,2152.5 ; v1(2877.07,3652.5) C1.3.82.1@2909.03,3652.5 ; v1(3064.57,652.5) C1.3.25.1@3096.53,652.5 ; v1(3064.57,1402.5) C1.3.38.1@3096.53,1402.5 ; v1(3252.07,2902.5) C1.3.64.1@3284.03,2902.5 ; v1(3439.57,2152.5) C1.3.50.1@3471.53,2152.5 ; v1(3627.07,3652.5) C1.3.81.1@3659.03,3652.5 ; v1(3814.57,1402.5) C1.3.37.1@3846.53,1402.5 ; v1(4002.07,652.5) C1.3.24.1@4034.03,652.5 ; v1(4002.07,2902.5) C1.3.63.1@4034.03,2902.5 ; v1(4189.57,2152.5) C1.3.49.1@4221.53,2152.5 ; v1(4377.07,3652.5) C1.3.80.1@4409.03,3652.5 ; v1(4564.57,1402.5) C1.3.36.1@4596.53,1402.5 ; v1(4752.07,2902.5) C1.3.62.1@4784.03,2902.5 ; v1(4939.57,652.5) C1.3.23.1@4971.53,652.5 ; v1(4939.57,2152.5) C1.3.48.1@4971.53,2152.5 ; v1(5127.07,3652.5) C1.3.79.1@5159.03,3652.5 ; v1(5314.57,1402.5) C1.3.35.1@5346.53,1402.5 ; v1(5502.07,2902.5) C1.3.61.1@5534.03,2902.5 ; v1(5689.57,652.5) C1.3.22.1@5721.53,652.5 ; v1(5689.57,2152.5) C1.3.47.1@5721.53,2152.5 ; v1(5877.07,3652.5) C1.3.78.1@5909.03,3652.5 ; v1(6064.57,1402.5) C1.3.34.1@6096.53,1402.5 ; v1(6252.07,2902.5) C1.3.60.1@6284.03,2902.5 ; v1(6439.57,2152.5) C1.3.46.1@6471.53,2152.5 ; v1(6627.07,652.5) C1.3.21.1@6659.03,652.5 ; v1(6627.07,3652.5) C1.3.77.1@6659.03,3652.5 ; v1(6814.57,1402.5) C1.3.33.1@6846.53,1402.5 ; v1(6852.07,3237.5) C1.3.76.1@6884.03,3237.5 ; v1(7002.07,2902.5) C1.3.59.1@7034.03,2902.5 ; v1(7189.57,2152.5) C1.3.45.1@7221.53,2152.5 ; v1(7564.57,652.5) C1.3.20.1@7596.53,652.5 ; v1(7564.57,1402.5) C1.3.32.1@7596.53,1402.5 ; v1(7752.07,2902.5) C1.3.58.1@7784.03,2902.5 ; v1(7939.57,2152.5) C1.3.44.1@7971.53,2152.5 ; v1(8127.07,3652.5) C1.3.75.1@8159.03,3652.5 ; v1(8314.57,1402.5) C1.3.31.1@8346.53,1402.5 ; v1(8502.07,652.5) C1.3.19.1@8534.03,652.5 ; v1(8502.07,2902.5) C1.3.57.1@8534.03,2902.5 ; v1(8689.57,2152.5) C1.3.43.1@8721.53,2152.5 ; v1(8877.07,3652.5) 8909.03,3652.5 C1.3.74.1@8912.07,3655.53 ; v1(9064.57,1402.5) C1.3.30.1@9096.53,1402.5 ; v1(9252.07,2902.5) C1.3.56.1@9284.03,2902.5 ; v1(9439.57,2152.5) C1.3.42.1@9471.53,2152.5 ; v1(9533.32,652.5) C1.3.18.1@9565.28,652.5 ; v1(9627.07,3652.5) C1.3.73.1@9659.03,3652.5 ; v1(10002.07,2902.5) C1.3.55.1@10034.03,2902.5 ; v1(10095.82,1402.5) C1.3.29.1@10127.78,1402.5 ; v1(10377.07,652.5) C1.3.17.1@10409.04,652.5 ; v1(10658.32,2152.5) C1.3.41.1@10690.28,2152.5 ; v1(10752.07,3652.5) C1.3.72.1@10784.03,3652.5 ; v1(10939.57,2902.5) C1.3.54.1@10971.53,2902.5 ; v1(11127.07,652.5) C1.3.16.1@11159.04,652.5 ; v1(11127.07,1402.5) C1.3.14.1@11159.04,1402.5 ; v1(11877.07,652.5) C1.3.15.1@11909.04,652.5 ; v1(11877.07,1402.5) C1.3.6.1@11909.03,1402.5 ; v1(11877.07,2152.5) C1.3.10.1@11909.03,2152.5 ; v1(11877.07,2902.5) C1.3.13.1@11909.03,2902.5 ; v1(11877.07,3652.5) C1.3.71.1@11909.03,3652.5 ; v1(12618.86,3648.68) C1.3.70.1@12650.83,3648.68 ; v1(12627.07,652.5) C1.3.3.1@12659.03,652.5 ; v1(12627.07,1402.5) C1.3.5.1@12659.03,1402.5 ; v1(12627.07,2152.5) C1.3.9.1@12659.03,2152.5 ; v1(12627.07,2902.5) C1.3.12.1@12659.03,2902.5 ; v1(13377.07,652.5) C1.3.2.1@13409.03,652.5 ; v1(13377.07,1402.5) C1.3.4.1@13409.03,1402.5 ; v1(13377.07,2152.5) C1.3.8.1@13409.03,2152.5 ; v1(13377.07,2902.5) C1.3.11.1@13409.03,2902.5 ; v1(13377.07,3652.5) C1.3.69.1@13409.03,3652.5 ; v1(14127.07,1027.5) C1.3.1.1@14159.03,1027.5 ; v1(14127.07,2527.5) C1.3.7.1@14159.03,2527.5 ; v1(14127.07,3652.5) C1.3.68.1@14159.03,3652.5
  Bottom Layer w15: v1(1585,1201.53) 1615.96,1201.53 C8.1.2@1630,1215.57 1614.04,1231.53 v1(1585,1231.53) ; v1(2174.04,1898.44) 2174.04,1927.48 C2.1.2@2190,1943.44 2204.04,1929.41 v1(2204.04,1898.44) ; v1(3457.5,2655) 3488.46,2655 C9.1.2@3502.5,2669.04 3486.54,2685 v1(3457.5,2685) ; v1(4770,1201.53) 4800.96,1201.53 C10.1.2@4815,1215.57 4799.04,1231.53 v1(4770,1231.53) ; v1(6457.5,2655) 6488.46,2655 C11.1.2@6502.5,2669.04 6486.54,2685 v1(6457.5,2685) ; v1(7424.04,1898.44) 7424.04,1927.48 C3.1.2@7440,1943.44 7454.04,1929.41 v1(7454.04,1898.44) ; v1(7770,1201.53) 7800.96,1201.53 C4.1.2@7815,1215.57 7799.04,1231.53 v1(7770,1231.53) ; v1(9457.5,2655) 9488.46,2655 C5.1.2@9502.5,2669.04 9486.54,2685 v1(9457.5,2685) ; v1(11332.07,1201.53) 11363.03,1201.53 C6.1.2@11377.07,1215.57 11361.1,1231.53 v1(11332.07,1231.53) ; v1(12111.1,1898.44) 12111.1,1927.48 C1.1.2@12127.07,1943.44 12141.1,1929.41 v1(12141.1,1898.44) ; v1(12832.07,2655) 12863.03,2655 C7.1.2@12877.07,2669.04 12861.1,2685 v1(12832.07,2685)
  Bottom Layer w25: v1(8240,3290) 8254.67,3304.67 8297.97,3304.67 U1.1.6@8299.25,3305.95 ; v1(8240,3320) 8252.78,3307.22 8297.97,3307.22 U1.1.6@8299.25,3305.95 ; 8300,3115 8300,3115.78 ; v1(8360,3115) v1@8360,3115.36 ; v1(8360,3175) v1(8360,3145) ; v1(8360,3290) 8360,3305 ; v1(8360,3320) 8360,3305 ; v1@8394.13,3155 8394.13,3125.87 v1(8395,3125) 8397.5,3127.5 U1.1.15@8425.13,3127.5 ; v1(8395,3275) 8395,3290 ; v1(8395,3335) 8395,3320 ; v1(8425,3095) 8425,3115 8425.13,3115.13 U1.1.15@8425.13,3127.5 ; v1(8515,3155) v1(8515,3125) 8511.28,3128.72 8453.64,3128.72 U1.1.15@8453.58,3128.78 ; v1(8515,3275) 8515,3290 ; v1(8515,3305) 8515,3290 ; U1.1.6@8299.25,3305.95 8359.05,3305.95 8360,3305 ; U1.1.14@8299.48,3148.23 8300,3147.71 8300,3115.78 ; U1.1.14@8299.48,3148.23 U1.1.14@8299.25,3148.47 8298.26,3147.48 8242.48,3147.48 v1(8240,3145) v1(8240,3115) 8240.78,3115.78 8300,3115.78 ; U1.1.14@8299.48,3148.23 8356.77,3148.23 v1(8360,3145) ; 8300,3115.78 8360,3115.78 v1(8360,3145) ; 8395,3290 v1(8395,3305) 8395,3320 ; 8395,3290 8397.46,3287.54 8452.3,3287.54 U1.1.7@8453.58,3286.26 ; 8395,3320 8399.35,3324.35 8452.3,3324.35 U1.1.5@8453.58,3325.63 U1.1.7@8453.58,3286.26 ; U1.1.15@8425.13,3127.5 8452.3,3127.5 U1.1.15@8453.58,3128.78 ; U1.1.15@8425.13,3127.5 8426.41,3128.78 U1.1.15@8453.58,3128.78 ; U1.1.7@8453.58,3286.26 U1.1.7@8453.58,3286.26 8511.3,3286.3 8515,3290
  other v1: 8270,3115 8330,3115 8395,3155
COL_0: S1.3.28.1 S1.3.40.1 S1.3.53.1 S1.3.67.1 S1.3.85.1 U1.2.3 | length 4343.5
  Mid-Layer 1 w10: S1.3.28.1@595.16,270.71 775.7,270.71 1063.91,558.91 S1.3.40.1@1063.91,1020.71 974.57,1110.05 974.57,1672.56 S1.3.53.1@876.41,1770.71 787.07,1860.05 787.07,2422.56 S1.3.67.1@688.91,2520.71 599.57,2610.05 599.57,2955.43 501.41,3053.59 S1.3.85.1@501.41,3270.71 654.29,3270.71 687.5,3237.5 687.5,3132.5 715,3105 885,3105 912.5,3132.5 912.5,3272.5 902.5,3282.5 882.5,3282.5 870.73,3270.73 v1(868.64,3270.73)
  Bottom Layer w10: v1(868.64,3270.73) 870.56,3268.82 870.56,3258.82 878.05,3251.32 U1.2.3@919.78,3251.32
COL_1: S1.3.27.1 S1.3.52.1 S1.3.66.1 S1.3.84.1 U1.2.4 | length 4013
  Mid-Layer 1 w10: v1(868.64,3230.73) 846,3253.37 846,3295 856,3305 990,3305 1024.29,3270.71 S1.3.84.1@1251.41,3270.71 1537.07,2985.06 1537.07,2610.05 S1.3.66.1@1626.41,2520.71 1724.57,2422.56 1724.57,1860.05 S1.3.52.1@1813.91,1770.71 1813.91,1263.91 1349.57,799.57 1349.57,360.05 S1.3.27.1@1438.91,270.71
  Bottom Layer w10: v1(868.64,3230.73) 871.35,3230.73 876.35,3225.73 U1.2.4@919.78,3225.73
COL_2: S1.3.26.1 S1.3.39.1 S1.3.51.1 S1.3.65.1 S1.3.83.1 U1.2.5 | length 5055.5
  Mid-Layer 1 w10: v1(858.64,3200.73) 830,3229.37 830,3322.37 914.13,3406.5 1865.62,3406.5 S1.3.83.1@2001.41,3270.71 2287.07,2985.06 2287.07,2610.05 S1.3.65.1@2376.41,2520.71 2474.57,2422.56 2474.57,1860.05 S1.3.51.1@2563.91,1770.71 2563.91,1163.91 2480,1080 2248.21,1080 S1.3.39.1@2188.91,1020.71 2099.57,931.36 2099.57,360.05 S1.3.26.1@2188.91,270.71
  Bottom Layer w10: v1(858.64,3200.73) 859.23,3200.14 U1.2.5@919.78,3200.14
COL_3: S1.3.25.1 S1.3.38.1 S1.3.50.1 S1.3.64.1 S1.3.82.1 U1.2.6 | length 5879.2
  Mid-Layer 1 w10: v1(868.64,3170.73) 849.27,3170.73 814,3206 814,3329 907.5,3422.5 2599.62,3422.5 S1.3.82.1@2751.41,3270.71 3037.07,2985.06 3037.07,2610.05 S1.3.64.1@3126.41,2520.71 3224.57,2422.56 3224.57,1860.05 S1.3.50.1@3313.91,1770.71 3313.91,1168.91 3225,1080 2998.21,1080 S1.3.38.1@2938.91,1020.71 2849.57,931.36 2849.57,360.05 S1.3.25.1@2938.91,270.71
  Bottom Layer w10: v1(868.64,3170.73) 872.46,3174.55 U1.2.6@919.78,3174.55
COL_4: S1.3.24.1 S1.3.37.1 S1.3.49.1 S1.3.63.1 S1.3.81.1 U1.2.10 | length 6921.4
  Mid-Layer 1 w10: v1(740,3200) 781.46,3200 785.73,3195.73 798,3208 798,3393 1000.5,3595.5 3344.5,3595.5 3407.5,3532.5 3407.5,3364.62 S1.3.81.1@3501.41,3270.71 3787.07,2985.06 3787.07,2610.05 S1.3.63.1@3876.41,2520.71 3974.57,2422.56 3974.57,1860.05 S1.3.49.1@4063.91,1770.71 4063.91,1168.91 3975,1080 3748.21,1080 S1.3.37.1@3688.91,1020.71 3688.91,916.09 3787.07,817.93 3787.07,360.05 S1.3.24.1@3876.41,270.71
  Bottom Layer w10: U1.2.10@687.5,3200.14 739.86,3200.14 v1(740,3200)
COL_5: S1.3.23.1 S1.3.36.1 S1.3.48.1 S1.3.62.1 S1.3.80.1 U1.2.11 | length 7749.6
  Mid-Layer 1 w10: v1(740,3230) 768.46,3230 772.73,3225.73 782,3235 782,3399.63 993.87,3611.5 4095.34,3611.5 4157.5,3549.34 4157.5,3364.62 S1.3.80.1@4251.41,3270.71 4537.07,2985.06 4537.07,2610.05 S1.3.62.1@4626.41,2520.71 4724.57,2422.56 4724.57,1860.05 S1.3.48.1@4813.91,1770.71 4813.91,1168.91 4725,1080 4498.21,1080 S1.3.36.1@4438.91,1020.71 4724.57,735.06 4724.57,360.05 S1.3.23.1@4813.91,270.71
  Bottom Layer w10: U1.2.11@687.5,3225.73 691.77,3230 v1(740,3230)
COL_6: S1.3.22.1 S1.3.35.1 S1.3.47.1 S1.3.61.1 S1.3.79.1 U1.2.12 | length 8480.4
  Mid-Layer 1 w10: v1(738.64,3260.73) 755.73,3260.73 766,3271 766,3406.25 987.24,3627.5 4827.5,3627.5 4912.5,3542.5 4912.5,3359.62 S1.3.79.1@5001.41,3270.71 5287.07,2985.06 5287.07,2610.05 S1.3.61.1@5376.41,2520.71 5474.57,2422.56 5474.57,1860.05 S1.3.47.1@5563.91,1770.71 5563.91,1168.91 5475,1080 5248.21,1080 S1.3.35.1@5188.91,1020.71 5474.57,735.06 5474.57,360.05 S1.3.22.1@5563.91,270.71
  Bottom Layer w10: U1.2.12@687.5,3251.32 729.23,3251.32 v1(738.64,3260.73)
COL_7: S1.3.34.1 S1.3.46.1 S1.3.60.1 S1.3.78.1 U1.2.13 U2.2.2 | length 9216
  Mid-Layer 1 w10: v1(738.64,3295.73) 750,3307.09 750,3412.88 782.5,3445.38 782.5,3552.5 757.5,3577.5 602.5,3577.5 577.5,3602.5 577.5,3727.5 602.5,3752.5 4907.5,3752.5 5120,3540 5120,3220 5192.5,3147.5 5397.5,3147.5 5432.5,3182.5 5432.5,3222.5 v1(5477.5,3267.5) 5748.21,3267.5 S1.3.78.1@5751.41,3270.71 6037.07,2985.06 6037.07,2610.05 S1.3.60.1@6126.41,2520.71 6224.57,2422.56 6224.57,1860.05 S1.3.46.1@6313.91,1770.71 6313.91,1168.91 6225,1080 5998.21,1080 S1.3.34.1@5938.91,1020.71
  Bottom Layer w10: U1.2.13@687.5,3276.91 687.56,3276.97 719.88,3276.97 v1(738.64,3295.73) ; U2.2.2@5418.64,3278.68 5419.82,3277.5 5466.64,3277.5 5476.64,3267.5 v1(5477.5,3267.5)
COL_8: S1.3.21.1 S1.3.33.1 S1.3.45.1 S1.3.59.1 S1.3.77.1 U2.2.3 | length 5000.9
  Mid-Layer 1 w10: v1(5367.5,3272.5) 5383.5,3288.5 5486.5,3288.5 5491,3284 5624,3284 5714,3374 5811.63,3374 5860.52,3422.9 6349.22,3422.9 S1.3.77.1@6501.41,3270.71 6787.07,2985.06 6787.07,2610.05 S1.3.59.1@6876.41,2520.71 6974.57,2422.56 6974.57,1860.05 S1.3.45.1@7063.91,1770.71 7063.91,1168.91 6975,1080 6748.21,1080 S1.3.33.1@6688.91,1020.71 6688.91,863.91 6412.07,587.07 6412.07,360.05 S1.3.21.1@6501.41,270.71
  Bottom Layer w10: v1(5367.5,3272.5) 5369.41,3270.59 5369.41,3260.59 5376.91,3253.09 U2.2.3@5418.64,3253.09
COL_9: S1.3.20.1 S1.3.32.1 S1.3.44.1 S1.3.58.1 S1.3.76.1 U2.2.4 | length 5874.6
  Mid-Layer 1 w10: v1(5367.5,3232.5) 5340.5,3259.5 5340.5,3315.5 5360,3335 5495,3335 5530,3300 5580,3300 5670,3390 5805,3390 5863.81,3448.81 5993.81,3448.81 6055,3510 6204.7,3510 6262.08,3452.62 6387.38,3452.62 6495,3345 6965,3345 7015,3295 7095,3295 7110,3310 7212.12,3310 7215.17,3306.95 S1.3.76.1@7251.41,3270.71 7537.07,2985.06 7537.07,2610.05 S1.3.58.1@7626.41,2520.71 7724.57,2422.56 7724.57,1860.05 S1.3.44.1@7813.91,1770.71 7813.91,1168.91 7725,1080 7498.21,1080 S1.3.32.1@7438.91,1020.71 7438.91,888.91 7349.57,799.57 7349.57,360.05 S1.3.20.1@7438.91,270.71
  Bottom Layer w10: v1(5367.5,3232.5) 5370.21,3232.5 5375.21,3227.5 U2.2.4@5418.64,3227.5
COL_10: S1.3.19.1 S1.3.31.1 S1.3.43.1 S1.3.57.1 S1.3.75.1 U2.2.5 | length 6688.9
  Mid-Layer 1 w10: v1(5357.5,3202.5) 5324.5,3235.5 5324.5,3324.5 5359,3359 5491.63,3359 5539.13,3406.5 5798.87,3406.5 5950.87,3558.5 6304.13,3558.5 6456.13,3406.5 7865.62,3406.5 S1.3.75.1@8001.41,3270.71 8287.07,2985.06 8287.07,2610.05 S1.3.57.1@8376.41,2520.71 8474.57,2422.56 8474.57,1860.05 S1.3.43.1@8563.91,1770.71 8563.91,1168.91 8475,1080 8248.21,1080 S1.3.31.1@8188.91,1020.71 8188.91,891.09 8287.07,792.93 8287.07,360.05 S1.3.19.1@8376.41,270.71
  Bottom Layer w10: v1(5357.5,3202.5) 5358.09,3201.91 U2.2.5@5418.64,3201.91
COL_11: S1.3.18.1 S1.3.30.1 S1.3.42.1 S1.3.56.1 S1.3.74.1 U2.2.6 | length 7841.6
  Mid-Layer 1 w10: v1(5367.5,3172.5) 5367.32,3172.68 5352.32,3172.68 5308.5,3216.5 5308.5,3331.13 5352.37,3375 5485,3375 5532.5,3422.5 5792.25,3422.5 5944.25,3574.5 6310.75,3574.5 6462.75,3422.5 8222.5,3422.5 8310,3510 8455,3510 8545,3420 8602.12,3420 S1.3.74.1@8751.41,3270.71 9037.07,2985.06 9037.07,2610.05 S1.3.56.1@9126.41,2520.71 9224.57,2422.56 9224.57,1860.05 S1.3.42.1@9313.91,1770.71 9313.91,1168.91 9225,1080 8998.21,1080 S1.3.30.1@8938.91,1020.71 8938.91,501.09 9169.29,270.71 9319.29,270.71 S1.3.18.1@9407.66,270.71
  Bottom Layer w10: v1(5367.5,3172.5) 5371.32,3176.32 U2.2.6@5418.64,3176.32
COL_12: S1.3.17.1 S1.3.29.1 S1.3.55.1 S1.3.73.1 U2.2.10 | length 8222.3
  Mid-Layer 1 w10: v1(5237.5,3197.5) 5257.5,3197.5 5292.5,3232.5 5292.5,3479.62 5403.38,3590.5 9343.41,3590.5 9402.5,3531.41 9402.5,3369.62 S1.3.73.1@9501.41,3270.71 9787.07,2985.06 9787.07,2610.05 S1.3.55.1@9876.41,2520.71 9876.41,2206.41 9804,2134 9804,1186.87 9880.82,1110.05 S1.3.29.1@9970.16,1020.71 10162.07,828.81 10162.07,360.05 S1.3.17.1@10251.41,270.71
  Bottom Layer w10: U2.2.10@5186.36,3201.91 5233.09,3201.91 v1(5237.5,3197.5)
COL_13: S1.3.14.1 S1.3.16.1 S1.3.41.1 S1.3.54.1 S1.3.72.1 U2.2.11 | length 9720.2
  Mid-Layer 1 w10: v1(5237.5,3227.5) 5276.5,3266.5 5276.5,3486.25 5396.75,3606.5 10453.5,3606.5 10527.5,3532.5 10527.5,3369.62 S1.3.72.1@10626.41,3270.71 10724.57,3172.56 10724.57,2610.05 S1.3.54.1@10813.91,2520.71 10813.91,2453.91 10745,2385 10630,2385 10443.32,2198.32 10443.32,1860.05 S1.3.41.1@10532.66,1770.71 10799.29,1770.71 10912.07,1657.93 10912.07,1110.05 S1.3.14.1@11001.41,1020.71 11001.41,891.41 10912.07,802.07 10912.07,360.05 S1.3.16.1@11001.41,270.71
  Bottom Layer w10: U2.2.11@5186.36,3227.5 v1(5237.5,3227.5)
COL_14: S1.3.6.1 S1.3.10.1 S1.3.13.1 S1.3.15.1 S1.3.71.1 U2.2.12 | length 10594.6
  Mid-Layer 1 w10: v1(5237.5,3262.5) 5260.5,3285.5 5260.5,3370.75 5212.75,3418.5 5176.5,3418.5 5152,3443 5152,3557 5217.5,3622.5 11572.07,3622.5 11657.07,3537.5 11657.07,3365.05 S1.3.71.1@11751.41,3270.71 11751.41,3046.41 11662.07,2957.07 11662.07,2610.05 S1.3.13.1@11751.41,2520.71 11751.41,2301.41 11662.07,2212.07 11662.07,1860.05 S1.3.10.1@11751.41,1770.71 11751.41,1546.41 11662.07,1457.07 11662.07,1110.05 S1.3.6.1@11751.41,1020.71 11751.41,891.41 11662.07,802.07 11662.07,360.05 S1.3.15.1@11751.41,270.71
  Bottom Layer w10: U2.2.12@5186.36,3253.09 5228.09,3253.09 v1(5237.5,3262.5)
COL_15: S1.3.3.1 S1.3.5.1 S1.3.9.1 S1.3.12.1 S1.3.70.1 U2.2.13 U3.2.2 | length 11863.1
  Mid-Layer 1 w10: v1(5237.5,3297.5) 5237.5,3352.5 5220,3370 5160,3370 5136,3394 5136,3559 5082.5,3612.5 5082.5,3727.5 5107.5,3752.5 11772.5,3752.5 11795,3730 11795,3625 11830,3590 12010,3590 12045,3555 12045,3250 12090,3205 12150.18,3205 v1(12238.86,3293.68) 12456.96,3293.68 S1.3.70.1@12483.75,3266.89 ; S1.3.70.1@12493.2,3266.89 12493.2,3042.59 12412.07,2961.46 12412.07,2610.05 S1.3.12.1@12501.41,2520.71 12501.41,2301.41 12412.07,2212.07 12412.07,1860.05 S1.3.9.1@12501.41,1770.71 12501.41,1546.41 12412.07,1457.07 12412.07,1110.05 S1.3.5.1@12501.41,1020.71 12501.41,886.41 12412.07,797.07 12412.07,360.05 S1.3.3.1@12501.41,270.71
  Bottom Layer w10: U2.2.13@5186.36,3278.68 U2.2.13@5186.36,3278.68 5218.74,3278.74 v1(5237.5,3297.5) ; U3.2.2@12185,3279.86 12225.04,3279.86 v1(12238.86,3293.68)
COL_16: S1.3.2.1 S1.3.4.1 S1.3.8.1 S1.3.11.1 S1.3.69.1 U3.2.3 | length 4690.8
  Mid-Layer 1 w10: v1(12117.07,3272.5) 12092.07,3297.5 12092.07,3372.5 12121.07,3401.5 13120.62,3401.5 S1.3.69.1@13251.41,3270.71 13251.41,3046.41 13160,2955 13160,2612.12 S1.3.11.1@13251.41,2520.71 13251.41,2301.41 13162.07,2212.07 13162.07,1860.05 S1.3.8.1@13251.41,1770.71 13251.41,1546.41 13162.07,1457.07 13162.07,1110.05 S1.3.4.1@13251.41,1020.71 13251.41,886.41 13162.07,797.07 13162.07,360.05 S1.3.2.1@13251.41,270.71
  Bottom Layer w10: v1(12117.07,3272.5) 12131.48,3258.09 U3.2.3@12168.21,3258.09
COL_17: S1.3.1.1 S1.3.7.1 S1.3.68.1 U3.2.4 | length 4989.8
  Mid-Layer 1 w10: v1(12117.07,3232.5) 12076.07,3273.5 12076.07,3379.13 12114.44,3417.5 13854.62,3417.5 S1.3.68.1@14001.41,3270.71 14001.41,3041.41 13912.07,2952.07 13912.07,2235.05 S1.3.7.1@14001.41,2145.71 14001.41,1261.41 13912.07,1172.07 13912.07,735.05 S1.3.1.1@14001.41,645.71
  Bottom Layer w10: v1(12117.07,3232.5) U3.2.4@12168.21,3232.5
COL_CLK: U1.2.8 U2.2.8 U3.2.8 U4.2.4 | length 12074.9
  Mid-Layer 2 w10: v1@753.5,3131.5 v1(747.5,3137.5) 750.21,3137.5 756.21,3131.5 5171.64,3131.5 5180.64,3122.5 v1(5182.5,3122.5) 5197.5,3107.5 5802.75,3107.5 5966.25,3271 6296.63,3271 6449.13,3118.5 8139.38,3118.5 8219.88,3038 8284.88,3038 8329.88,2993 8410.12,2993 8475.12,3058 8550.12,3058 8589.12,3097 10052,3097 10168.13,3213.13 10168.13,3378.16 10210.97,3421 10571.63,3421 10697.84,3294.79 v1(11126.7,3294.79) 11146.7,3294.79 11166.7,3314.79 11166.7,3389.79 11198.16,3421.25 11356.38,3421.25 11612.63,3165 11850,3165 11862.5,3152.5 v1(11887.07,3152.5)
  Bottom Layer w10: U1.2.8@687.5,3148.96 736.04,3148.96 v1(747.5,3137.5) ; v1(5182.5,3122.5) 5182.5,3125.21 5185.66,3128.36 5185.66,3150.03 U2.2.8@5186.36,3150.73 ; U4.2.4@11074.57,3296.77 11122.01,3296.77 11123.99,3294.79 v1(11126.7,3294.79) ; v1(11887.07,3152.5) 11890.29,3155.73 U3.2.8@11935.92,3155.73
COL_DIN: U1.2.2 U5.2.13 | length 9800.3
  Mid-Layer 2 w10: v1(970,3275) 1081.5,3163.5 5093.5,3163.5 5123.5,3193.5 5184.13,3193.5 5230.13,3147.5 5797.5,3147.5 5955,3305 5955,3360.25 5994.75,3400 6323.62,3400 6370,3353.62 6370,3242.88 6462.38,3150.5 8152.64,3150.5 8233.14,3070 8298.14,3070 8343.14,3025 8396.86,3025 8461.86,3090 8536.86,3090 8575.86,3129 9856.64,3129 10027.43,3299.79 v1(10112.13,3299.79)
  Bottom Layer w10: U1.2.2@919.78,3276.91 968.09,3276.91 v1(970,3275) ; v1(10112.13,3299.79) 10114.83,3299.79 10117.85,3296.77 U5.2.13@10169.41,3296.77
COL_RST: U1.2.9 U2.2.9 U3.2.9 U4.2.5 U5.2.2 | length 12099.1
  Mid-Layer 2 w10: v1(747.5,3172.5) 772.5,3147.5 5107.5,3147.5 v1(5132.5,3172.5) 5182.5,3172.5 5223.5,3131.5 5804.13,3131.5 5959.63,3287 6303.25,3287 6455.75,3134.5 8146.01,3134.5 8226.51,3054 8291.51,3054 8336.51,3009 8403.49,3009 8468.49,3074 8543.49,3074 8582.49,3113 9870.34,3113 v1(10002.13,3244.79) 10122.13,3244.79 10152.13,3274.79 10152.13,3384.79 10204.34,3437 10578.25,3437 10687.75,3327.5 v1@11117.5,3327.5 ; v1(11126.7,3324.79) 11127.38,3325.47 11141.38,3325.47 11150.7,3334.79 11150.7,3396.42 11191.53,3437.25 11363,3437.25 11617.75,3182.5 v1(11887.07,3182.5)
  Bottom Layer w10: U1.2.9@687.5,3174.55 742.75,3174.55 744.79,3172.5 v1(747.5,3172.5) ; v1(5132.5,3172.5) 5135.21,3172.5 5139.02,3176.32 U2.2.9@5186.36,3176.32 ; U5.2.2@9945,3245.59 10001.32,3245.59 v1(10002.13,3244.79) ; U4.2.5@11074.57,3322.36 11124.27,3322.36 v1(11126.7,3324.79) ; v1(11887.07,3182.5) 11888.25,3181.32 U3.2.9@11935.92,3181.32